# Altium PCB Simulation.PcbDoc (part 2 of 3)
Units mil, origin at the board's own origin, x right, y up, seen from the top; angles counter-clockwise.
Board outline 4400 x 4255 mil, 4 copper layers (Top Layer, Internal Plane 1, Internal Plane 2, Bottom Layer), stack 18.2 mil thick; 378 components, 286 nets, 1122 pads, 110 vias.
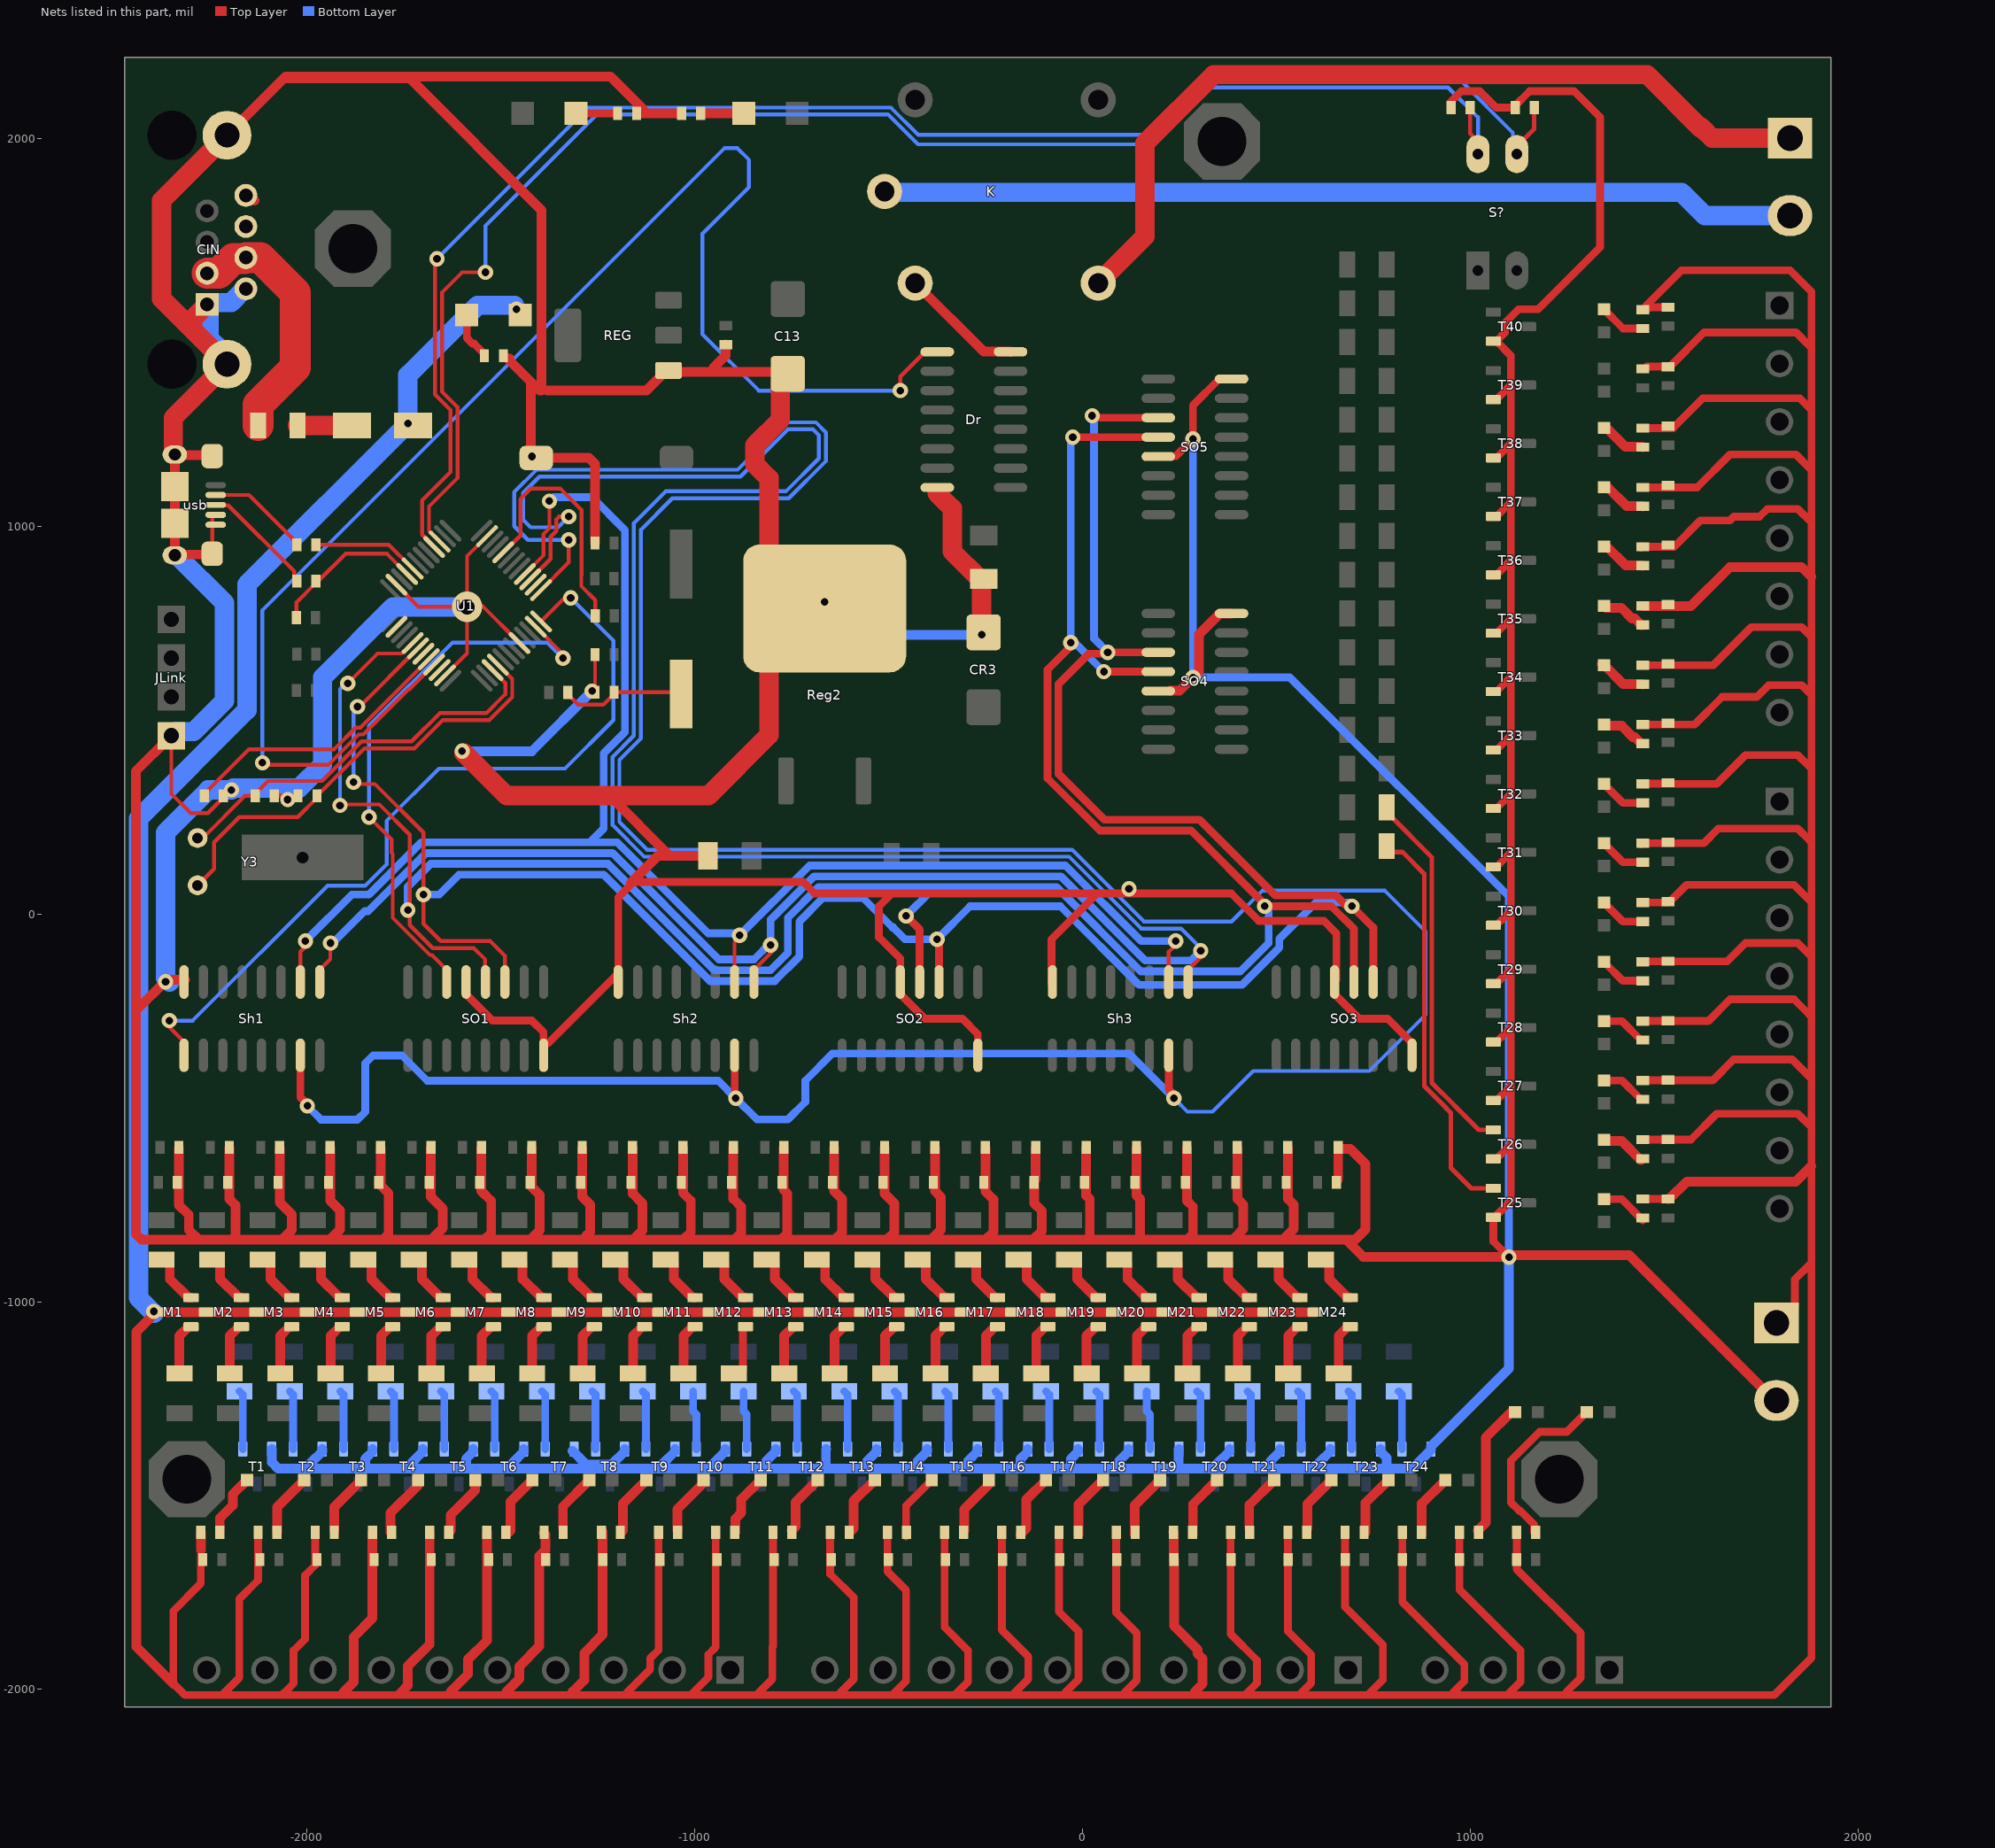
[diagram p4: the nets of this part, all layers, seen from the top]

## Via types
v1: diameter 39.37, hole 19.68, Top Layer to Bottom Layer, 107 vias
v2: diameter 78.74, hole 39.37, Top Layer to Bottom Layer, 3 vias

## Nets (pads, with @x,y where several pads share a name; then routed paths per layer and width w, separated by ;. In a path a pad name is that pad's centre, name@x,y a point inside that pad or via, vN(x,y) a via of type N, cw(c..) or ccw(c..) an arc to the next point about the centre after c; other vN are vias at no path point) (continued)
24V: 24V.1 DM6.2 M1.3 M2.3 M3.3 M4.3 M5.3 M6.3 M7.3 M8.3 M9.3 M10.3 M11.3 M12.3 M13.3 M14.3 M15.3 M16.3 M17.3 M18.3 M19.3 M20.3 M21.3 M22.3 M23.3 M24.3 P2.1@1790,-1055 RL1.2 RL2.2 RL3.2 RL4.2 RL5.2 RL6.2 RL7.2 RL8.2 RL9.2 RL10.2 RL11.2 RL12.2 RL13.2 RL14.2 RL15.2 RL16.2 RL17.2 RL18.2 RL19.2 RL20.2 RL21.2 RL22.2 RL23.2 RL24.2 RL25.2 RL26.2 RL27.2 RL28.2 RL29.2 RL30.2 RL31.2 RL32.2 RL33.2 RL34.2 RL35.2 RL36.2 RL37.2 RL38.2 RL39.2 RL40.2 RP1.1 RP2.1 RP3.1 RP4.1 RP5.1 RP6.1 RP7.1 RP8.1 RP9.1 RP10.1 RP11.1 RP12.1 RP13.1 RP14.1 RP15.1 RP16.1 RP17.1 RP18.1 RP19.1 RP20.1 RP21.1 RP22.1 RP23.1 RP24.1 RP25.1 RP26.1 RP27.1 RP28.1 RP29.1 RP30.1 RP31.1 RP32.1 RP33.1 RP34.1 RP35.1 RP36.1 RP37.1 RP38.1 RP39.1 RP40.1 | length 33728.2
  Top Layer w20: -2273.99,-1640 -2273.99,-1727 -2345,-1798 -2345,-1984.62 -2315,-2014.62 -329.62,-2014.62 ; -2215,-2010 -2175,-1970 -2175,-1766.75 -2126.43,-1718.17 RL2.2@-2126.43,-1595 ; -2060,-2008.62 -2058.62,-2008.62 -2035,-1985 -2035,-1900 -2005,-1870 -2005,-1705.53 -1978.86,-1679.39 RL3.2@-1978.86,-1595 ; -1910,-2008.62 -1907.19,-2005.81 -1905,-2005.81 ; -1175.31,-2008.62 -1115,-1948.31 -1115,-1920 -1093.47,-1898.47 RL9.2@-1093.47,-1595 ; -1005,-2008.62 -965,-1968.62 -965,-1910 -945.91,-1890.91 RL10.2@-945.91,-1595 ; -835,-2008.62 -800,-1973.62 -800,-1890 -798.34,-1888.34 RL11.2@-798.34,-1595 ; RL12.2@-650.78,-1595 -650.78,-1702.07 -590,-1762.85 -590,-1973.62 -625,-2008.62 ; RL13.2@-503.21,-1595 -503.21,-1695.85 -455,-1744.07 -455,-1978.62 -485,-2008.62 ; RL14.2@-355.65,-1595 -355.65,-1839.35 -295,-1900 -295,-1980 -329.62,-2014.62 ; RL15.2@-208.08,-1595 -208.08,-1846.92 -140,-1915 -140,-1973.62 -175,-2008.62 ; RL16.2@-60.52,-1595 -60.52,-1799.48 -10,-1850 -10,-1973.62 -45,-2008.62 ; RL17.2@87.04,-1595 87.04,-1802.04 140,-1855 140,-1976.95 108.33,-2008.62 ; RL19.2@382.17,-1595 382.17,-1857.17 450,-1925 450,-1983.62 425,-2008.62 ; RL20.2@529.74,-1595 529.74,-1849.74 590,-1910 590,-1983.62 565,-2008.62 ; RL21.2@677.3,-1595 677.3,-1787.3 775,-1885 775,-1975 740,-2010 ; RL22.2@824.87,-1595 824.87,-1774.87 985,-1935 985,-1978.62 955,-2008.62 ; RL23.2@972.43,-1595 972.43,-1742.43 1130,-1900 1130,-1980 1100,-2010 1100,-2014.62 ; RL24.2@1120,-1595 1120,-1690 1285,-1855 1285,-1970 1249.34,-2005.66 ; RL31.2@1440,180 RL31.2@1443.8,183.8 ; RL36.2@1440,945 RL36.2@1443.63,948.63 ; RL25.2@1445,-735 RP25.1@1510,-735 ; RL26.2@1445,-582.07 1445.2,-581.87 1569.07,-581.87 1635.93,-515 1845,-515 1880,-550 ; RL27.2@1445,-429.13 1625.87,-429.13 1680,-375 1830,-375 1880,-425 ; RL28.2@1445,-276.2 1613.8,-276.2 1670,-220 1835,-220 1875,-260 ; RL29.2@1445,-123.27 1445.8,-122.47 1662.53,-122.47 1710,-75 1845,-75 1875,-105 ; RL30.2@1445,29.66 1509.66,29.66 RP30.1@1511.67,31.67 ; RL31.2@1445,182.6 1602.6,182.6 1640,220 1845,220 1875,190 ; RL32.2@1445,335.53 RL32.2@1450.33,335.53 ; RL33.2@1445,488.46 1578.46,488.46 1650,560 1740,560 1770,590 1855,590 1880,565 ; RL34.2@1445,641.4 1626.4,641.4 1725,740 1855,740 1880,715 ; RL36.2@1445,947.26 1526.09,947.26 1593.83,1015 1670,1015 1679.63,1024.63 1746.09,1024.63 1766.47,1045 1845,1045 1880,1010 ; RL37.2@1445,1100.19 1585.19,1100.19 1670,1185 1840,1185 1875,1150 ; RL38.2@1445,1253.13 1523.13,1253.13 1600,1330 1850,1330 1880,1300 ; RL39.2@1448.86,1405 1455.53,1411.67 RP39.1@1510,1411.67 1514.92,1411.67 1603.26,1500 1840,1500 1875,1465 ; RL40.2@1455,1570 1545,1660 1825,1660 1880,1605 1880,1300 ; RL40.2@1460,1565 RP40.1@1510,1565 ; RP30.1@1510,31.67 RP30.1@1511.67,31.67 ; RP32.1@1510,338.33 1508.6,336.93 1451.73,336.93 RL32.2@1450.33,335.53 ; P2.1@1795,-1050 1800,-1050 1837.5,-1012.5 1837.5,-942.5 1880,-900 ; 1875,35 1835,75 1558.25,75 1514.92,31.67 RP30.1@1511.67,31.67 ; 1875,380 1845,410 1710,410 1635.53,335.53 RL32.2@1450.33,335.53 ; -329.62,-2014.62 1100,-2014.62 ; 1100,-2014.62 1784.06,-2014.62 1880,-1918.68 1880,-900 ; 1880,-900 1880,-650 1880,-550 ; 1880,-550 1880,-425 ; 1880,-425 1880,565 ; 1880,565 1880,715 ; 1880,715 1880,870 1880,1010 ; 1880,1010 1880,1300
  Top Layer w25: -2345,-1985 -2440,-1890 -2440,-1077.3 -2396.93,-1034.23 -2396.93,-1027.73 -2396.24,-1027.04 M1.3@-2389.74,-1027.04 M2.3@-2259.74,-1027.04 M3.3@-2129.74,-1027.04 M4.3@-1999.74,-1027.04 M5.3@-1869.74,-1027.04 M6.3@-1739.74,-1027.04 M7.3@-1609.74,-1027.04 M8.3@-1479.74,-1027.04 M9.3@-1349.74,-1027.04 M10.3@-1219.74,-1027.04 M11.3@-1089.74,-1027.04 M12.3@-959.74,-1027.04 M13.3@-829.74,-1027.04 M14.3@-699.74,-1027.04 M15.3@-569.74,-1027.04 M16.3@-439.74,-1027.04 M17.3@-309.74,-1027.04 M18.3@-179.74,-1027.04 M19.3@-49.74,-1027.04 M20.3@80.26,-1027.04 M21.3@210.26,-1027.04 M22.3@340.26,-1027.04 M23.3@470.26,-1027.04 M24.3@600.26,-1027.04 ; -2273.99,-1640 RL1.2@-2273.99,-1595 ; -1905,-2005.81 -1880,-1980.81 -1880,-1865 -1831.3,-1816.3 RL4.2@-1831.3,-1595 ; -1760,-2010 -1740,-1990 -1740,-1940 -1683.73,-1883.73 RL5.2@-1683.73,-1595 ; -1630,-2005.81 -1585,-1960.81 -1585,-1922.77 -1536.17,-1873.94 RL6.2@-1536.17,-1595 ; -1485.6,-2005.81 -1452.91,-1973.12 -1452.91,-1940.68 -1400.84,-1888.62 -1400.84,-1655.94 -1384.91,-1640 -1384.91,-1600.09 RL7.2@-1389.3,-1595.7 ; -1315,-2005.81 -1285,-1975.81 -1285,-1906.49 -1237.56,-1859.05 RP8.1@-1237.56,-1665 -1237.56,-1592.44 RL8.2@-1240,-1590 ; RL18.2@234.61,-1595 235,-1595.39 RP18.1@235,-1670 ; RP18.1@235.91,-1665 235.91,-1835.91 297.13,-1897.13 297.13,-1907.91 310,-1920.78 310,-1985.81 290,-2005.81 ; RL35.2@1445,794.33 1569.33,794.33 1670,895 1855,895 1880,870 ; RP25.1@1510,-735 1513.54,-735 1558.54,-690 1840,-690 1880,-650
  Bottom Layer w50: v1@-2395,-1030 -2435,-990 -2435,246.03 -2155,526.03 -2155,850 v1(-1740,1265) -1740,1390 -1560,1570 v1@-1465,1570
  other v1: -2395,-1025 -1460,1560
24V_IN: CIN.3 CIN.4 F3.1 | length 660.9
  Top Layer w80: CIN.3@-2257.75,1652.8 -2227.83,1652.8 -2190.2,1690.42 CIN.4@-2160.28,1690.42 ; CIN.4@-2157.75,1692.95 -2120.22,1692.95 -2030,1602.73 -2030,1410 -2126.65,1313.35 F3.1@-2126.65,1260
A11: R7.1 U1.32 | length 275.2
  Top Layer w10: R7.1@-1977.61,952.44 -1789.2,952.44 U1.32@-1727.8,891.04
A12: R8.1 R9.1 U1.33 | length 401.4
  Top Layer w10: R9.1@-2027.61,764.42 -2027.61,803.51 -1977.61,853.51 R8.1@-1977.61,858.43 -1971.57,858.43 -1900.91,929.09 -1793.69,929.09 U1.33@-1741.72,877.12
A15: U1.38
Ca0: U1.46
Ca2: U1.43
ChA: CIN.8 | length 19.2
  Top Layer w25: CIN.8@-2148.53,1853.58 CIN.8@-2134.95,1840
ChB: CIN.6
"Clock Pin 2": SO1.11 SO2.11 SO3.11 SO4.11 SO5.11 U1.42 | length 6667
  Top Layer w10: v1@-1880,335 -1825,335 -1700,210 v1(-1700,50) -1700,-25 -1655,-70 -1527.87,-70 -1489.86,-108.01 SO1.11@-1489.86,-175.51 ; v1(-1870,535) -1864.41,535 -1714.37,685.04 U1.42@-1713.88,685.04
  Top Layer w20: SO2.11@-369.93,-190.51 SO2.11@-369.93,-175.51 v1@-369.93,-59.93 ; v1@35,1285 40,1280 SO5.11@195.51,1280 ; v1(65,675) SO4.11@195.51,675 ; v1@65,680 56.29,671.29 16.29,671.29 -62.13,592.87 -62.13,361.55 56.55,242.87 302.13,242.87 497.13,47.87 653.43,47.87 681.3,20 v1(695,20) ; v1@700,15 750,-35 SO3.11@750,-175.51
  Bottom Layer w10: v1(-1880,340) -1880,520 v1@-1875,525
  Bottom Layer w20: v1(-1700,50) -1659.33,50 -1607.96,101.38 -1235.22,101.38 -960.97,-172.87 -793.45,-172.87 -730.29,-109.71 -730.29,-19.48 -669.43,41.38 -566.38,41.38 -490,-35 ; -488.94,-33.94 -457.87,-65 v1(-375,-65) -290,20 -56.93,20 145.94,-182.87 411.55,-182.87 507.87,-86.55 507.87,-64.17 601.73,29.69 v1@690,29.69 ; v1@30,1285 30,710.27 65,675.27 v1(65,675)
  other v1: 25,1285
ClockEn: Sh1.15 Sh2.15 Sh3.15 U1.13 | length 8909.8
  Top Layer w10: U1.13@-1396.52,835.37 -1325,906.89 v1(-1325,965)
  Top Layer w20: Sh1.15@-2017.35,-364.49 -2017.35,-472.65 v1@-1995,-495 ; Sh2.15@-897.42,-364.49 -896.72,-365.18 v1@-896.72,-473.28 ; Sh3.15@222.51,-364.49 222.51,-452.51 v1@240.33,-470.33
  Bottom Layer w10: v1(-1325,965) -1325.43,964.57 -1430.03,964.57 -1465.43,999.97 -1465.43,1088.52 -1408.21,1145.75 -889.53,1145.75 -767.4,1267.87 -687.6,1267.87 -662.13,1242.4 -662.13,1167.6 -757.6,1072.13 -1057.87,1072.13 -1139.25,990.75 -1139.25,452.6 -1194.49,397.36 -1194.49,237.11 -1123.12,165.75 -26.79,165.75 158.52,-19.57 384.39,-19.57 463.95,60 780,60 885,-45 885,-260 740,-405 440,-405 335,-510 270.67,-510 240.67,-480 v1(235.67,-475)
  Bottom Layer w20: v1(-1999.33,-495) -1964.04,-530.29 -1869.71,-530.29 -1850,-510.58 -1850,-385 -1830,-365 -1755,-365 -1690,-430 -939.33,-430 v1(-894.33,-475) -839.33,-530 -760,-530 -715,-485 -715,-430 -645,-360 120,-360 v1@235.37,-475.37
ClockPin: Sh1.2 Sh2.2 Sh3.2 U1.16 | length 4233
  Top Layer w10: Sh1.2@-2017.35,-175.51 -2017.35,-97.35 v1@-2000,-80 ; U1.16@-1438.28,877.12 -1390,925.4 -1390,980 -1375,995 v1(-1375,1065) ; Sh2.2@-897.42,-175.51 -897.42,-72.42 v1@-880,-55 ; Sh3.2@222.51,-175.51 222.51,-97.49 v1@245,-75
  Bottom Layer w10: v1(-1375,1065) v1@-1370,1065
  Bottom Layer w20: v1(-2004.33,-70) -1884.33,50 -1840.38,50 -1705.38,185 -1270,185 ; v1@-1370,1070 -1370,1068.95 -1363.95,1075 -1265,1075 -1180,990 -1180,469.47 -1235.24,414.24 -1235.24,220.24 -1270,185.47 -1270,185 ; v1@-885,-50 -965,-50 -1200,185 -1270,185 ; v1(-884.33,-55) -884.07,-55 -704.07,125 -43.67,125 151.33,-70 v1(240.67,-70)
Co1: RO1.2 S?.4 U1.27 | length 3988.2
  Top Layer w10: U1.27@-1658.21,960.64 -1658.21,961.13 -1685.34,988.26 -1685.34,1051.05 -1612.13,1124.26 -1612.13,1307.4 -1652.13,1347.4 -1652.13,1602.87 -1600,1655 v1(-1540,1655) ; RO1.2@1000,2080 1000,2012.96 1025,1987.96 S?.4@1025,1965
  Bottom Layer w10: v1(-1540,1655) -1540,1775 -1252.87,2062.13 -501.57,2062.13 -424.44,1985 170,1985 317.13,2132.13 942.87,2132.13 1020,2055 S?.4@1020,1960 S?.4@1020,1950
Co2: RO2.2 S?.3 U1.28 | length 4085.3
  Top Layer w10: U1.28@-1672.12,946.72 -1672.12,947.21 -1703.21,978.3 -1703.21,1066.79 -1630,1140 -1630,1300 -1670,1340 -1670,1685 v1(-1665,1690)
  Top Layer w12: S?.3@1130,1950 1130,1989.68 1165,2024.68 RO2.2@1165,2080 RO2.2@1165,2085
  Bottom Layer w10: v1(-1665,1690) -1275,2080 -494.16,2080 -424.16,2010 160,2010 300,2150 975,2150 1110,2015 1110,1992.66 1125,1977.66 S?.3@1125,1970
Control: Dr.1 U1.45 | length 3934.5
  Top Layer w10: v1@-2110,385 -1944.67,385 -1866.8,462.87 -1855.09,462.87 -1737.56,580.4 -1735,580.4 U1.45@-1672.12,643.28 ; v1@-475,1345 v1(-470,1350) -470,1385.98 -405.98,1450 Dr.1@-374.49,1450
  Bottom Layer w10: v1(-2115,390) -2115,783.56 -923.56,1975 -890,1975 -860,1945 -860,1875 -980,1755 -980,1585.69 -980.34,1585.34 -980.34,1495.34 -835,1350 v1(-470,1350)
"Data Pin2": SO1.14 U1.11 | length 1451.6
  Top Layer w10: v1@-1835,250 -1835,245 -1782.09,192.09 -1782.09,157.91 -1779.19,155 -1779.19,-9.77 -1683.21,-105.75 -1678.13,-105.75 -1639.86,-144.02 SO1.14@-1639.86,-175.51 ; U1.11@-1410.44,740.71 v1@-1335,665.27
  Bottom Layer w10: v1@-1840,255 -1840,485 -1625,700 -1380,700 v1(-1340,660)
  other v1: -1840,250
DataPin: U1.14
DataPin2: Sh1.9 U1.12 | length 2101
  Top Layer w10: v1@-2355,-280 -2355,-291.65 -2317.35,-329.31 Sh1.9@-2317.35,-364.49 ; U1.12@-1396.52,754.63 -1336.15,815 v1(-1320,815) v1@-1315,815
  Bottom Layer w10: v1@-2355,-270 -2350,-275 -2295,-275 -1947.13,72.87 -1849.86,72.87 -1794.93,127.8 -1794.93,240.07 -1660,375 -1335,375 -1210,500 -1210,705 v1(-1320,815)
  other v1: -2355,-275
GND: C2.1 C6.2 C7.2 C10.2 C13.2 C15.2 C16.1 CIN.1 CIN.2 CIN.9 CR1.2 CR2.2 CR3.2 CY1.2 CY2.2 CY3.2 CY4.2 CY5.2 CY6.2 CY7.2 CY8.2 CY9.2 CY10.2 CY11.2 CY12.2 CY13.2 CY14.2 CY15.2 CY16.2 CY17.2 CY18.2 CY19.2 CY20.2 CY21.2 CY22.2 CY23.2 CY24.2 Dr.8 JLink.1 P2.2@1790,-1255 R2.2 R80.1 R82.1 R83.1 Reg2.4 REG.1 RES.1 RK1.1 RK2.1 RK3.1 RK4.1 RK5.1 RK6.1 RK7.1 RK8.1 RK9.1 RK10.1 RK11.1 RK12.1 RK13.1 RK14.1 RK15.1 RK16.1 RK17.1 RK18.1 RK19.1 RK20.1 RK21.1 RK22.1 RK23.1 RK24.1 RO1.1 RO2.1 Sh1.8 Sh2.8 Sh3.8 SO1.8 SO1.13 SO2.8 SO2.13 SO3.8 SO3.13 SO4.8 SO4.13 SO5.8 SO5.13 T1.2 T2.2 T3.2 T4.2 T5.2 T6.2 T7.2 T8.2 T9.2 T10.2 T11.2 T12.2 T13.2 T14.2 T15.2 T16.2 T17.2 T18.2 T19.2 T20.2 T21.2 T22.2 T23.2 T24.2 T25.2 T26.2 T27.2 T28.2 T29.2 T30.2 T31.2 T32.2 T33.2 T34.2 T35.2 T36.2 T37.2 T38.2 T39.2 T40.2 U1.8 U1.23 U1.35 U1.47 usb.4 usb.5 usb.S | length 41620.2
  Top Layer w10: JLink.1@-2350,455 -2350,310 -2300,260 -2256.09,260 -2216.01,300.08 R2.2@-2216.01,305 ; usb.S@-2246.57,927.13 usb.S@-2244.61,929.09 -2244.61,1026.83 -2241.95,1029.49 usb.4@-2235.75,1029.49 ; C15.2@-2084.69,304.77 C16.1@-2023.34,304.77 ; U1.35@-1769.56,849.29 -1712.24,791.97 v2@-1603.03,791.97 ; U1.47@-1644.29,615.44 -1587.24,672.49 -1587.24,782.24 v2@-1600,795 ; v2(-1587.24,791.97) -1587.24,923.04 U1.23@-1535.71,974.56 ; v2@-1548.24,795 U1.8@-1452.2,698.96 ; C7.2@-1257.3,572.3 C6.2@-1257.3,668.83
  Top Layer w20: JLink.1@-2355,455 JLink.1@-2350,455 ; v1@-1607.75,410.61 v1@-1607.75,415.53 ; SO1.13@-1589.86,-175.51 -1589.86,-207.01 -1521.87,-275 -1420,-275 -1390.55,-304.45 SO1.8@-1390.55,-334.72 ; R80.1@-1485,1435 -1475.96,1435 ; SO1.8@-1389.86,-364.49 -1389.86,-334.72 -1388.19,-333.05 -1378.05,-333.05 -1197.42,-152.42 -1197.42,42.58 -1157.13,82.87 -720.53,82.87 -690.76,53.11 -491.89,53.11 ; SO2.13@-469.93,-175.51 SO2.13@-469.93,-185.07 ; SO2.8@-270,-365 -270,-310 -310,-270 -406.94,-270 -469.93,-207.01 SO2.13@-469.93,-185.07 ; Sh3.8@-80,-180 -80,-65 38.11,53.11 ; SO5.13@185,1180 185.69,1180.69 240.69,1180.69 v1(285,1225) 285,1312.01 352.99,1380 SO5.8@384.49,1380 ; SO3.13@650,-175.51 650,-207.01 712.99,-270 787.01,-270 850,-332.99 SO3.8@850,-355 ; SO3.13@655,-170 655,-50 622.56,-17.56 454.44,-17.56 383.77,53.11 38.11,53.11 ; RO1.1@950,2095 977.13,2122.13 1025,2122.13 1067.13,2080 RO2.1@1116.01,2080 1116.01,2084.92 1153.21,2122.13 1267.87,2122.13 1335,2055 1335,1720 1175,1560 1125,1560 1090,1525 1090,1500 T40.2@1067.6,1477.6 ; T25.2@1059.72,-782.4 1059.72,-844.72 v1(1100,-885) ; T26.2@1059.72,-631.74 1067.6,-631.74 1105,-594.33 ; T27.2@1059.72,-481.07 1067.6,-481.07 1105,-443.67 ; T28.2@1059.72,-330.4 1067.6,-330.4 1105,-293 ; T29.2@1059.72,-179.74 1067.6,-179.74 1105,-142.33 ; T30.2@1059.72,-29.07 1067.6,-29.07 1101.67,5 1105,5 ; T31.2@1059.72,121.6 1067.6,121.6 1105,159 ; T32.2@1059.72,272.26 1067.6,272.26 1105,309.67 ; T33.2@1059.72,422.93 1067.6,422.93 1104.67,460 1105,460 ; T34.2@1059.72,573.6 1067.6,573.6 1105,611 ; T35.2@1059.72,724.26 1067.6,724.26 1103.33,760 1105,760 ; T36.2@1059.72,874.93 1067.6,874.93 1105,912.33 ; T37.2@1059.72,1025.6 1067.6,1025.6 1102,1060 1105,1060 ; T38.2@1059.72,1176.26 1067.6,1176.26 1105,1213.67 ; T39.2@1059.72,1326.93 1067.6,1326.93 1105,1364.33 ; T40.2@1059.72,1477.6 T40.2@1067.6,1477.6 ; T25.2@1060,-785 1105,-740 1105,-594.33 ; T40.2@1065,1475 T40.2@1067.6,1477.6 ; -491.89,53.11 -525,20 -525,-60 -470,-115 -470,-185 SO2.13@-469.93,-185.07 ; -491.89,53.11 38.11,53.11 ; T40.2@1067.6,1477.6 1105,1440.2 1105,1364.33 ; 1105,-594.33 1105,-443.67 ; 1105,-443.67 1105,-293 ; 1105,-293 1105,-142.33 ; 1105,-142.33 1105,5 ; 1105,5 1105,159 ; 1105,159 1105,309.67 ; 1105,309.67 1105,460 ; 1105,460 1105,611 ; 1105,611 1105,760 ; 1105,760 1105,912.33 ; 1105,912.33 1105,1060 ; 1105,1060 1105,1213.67 ; 1105,1213.67 1105,1364.33
  Top Layer w25: JLink.1@-2350,460 -2355,455 -2441.94,368.06 -2441.94,-250 ; CY1.2@-2330.5,-602.05 -2330.5,-750.92 -2304.98,-776.45 -2304.98,-814.95 -2279.45,-840.47 ; Sh1.8@-2315,-170 -2361.94,-170 -2441.94,-250 ; usb.S@-2246.57,927.13 -2339.09,927.13 usb.S@-2341.06,925.16 usb.S@-2341.06,1007.83 usb.S@-2341.06,1102.32 usb.S@-2341.06,1185 -2339.09,1183.03 -2246.57,1183.03 usb.S@-2244.61,1181.06 ; CIN.9@-2220,2015 -2213.7,2008.7 CIN.9@-2206.57,2008.7 ; CIN.9@-2210.27,2005 CIN.9@-2206.57,2008.7 ; CY2.2@-2200.5,-602.05 -2200.5,-735.42 -2185,-750.92 -2185,-830.47 -2195,-840.47 ; CY3.2@-2070.5,-602.05 -2070.5,-743.69 -2039.19,-775 -2039.19,-814.66 -2065,-840.47 ; CY4.2@-1940.5,-602.05 -1940.5,-739.5 -1915,-765 -1915,-814.02 -1941.46,-840.47 ; RK5.1@-1814.72,-692.05 -1814.72,-695.59 -1790,-720.31 -1790,-825 -1800,-835 ; CY5.2@-1810.5,-602.05 -1810,-602.55 RK5.1@-1810,-695 ; CY6.2@-1680.5,-602.05 -1680.5,-729.5 -1650,-760 -1650,-810.47 -1680,-840.47 ; CY7.2@-1550.5,-602.05 -1550.5,-714.5 -1525,-740 -1525,-822.83 -1542.64,-840.47 ; R80.1@-1485,1435 -1422.5,1372.5 ; CY8.2@-1420.5,-602.05 -1420.5,-704.5 -1400,-725 -1400,-816.11 -1424.36,-840.47 ; RES.1@-1415,1180 -1422.5,1187.5 -1422.5,1372.5 ; RES.1@-1408.87,1176.48 -1273.43,1176.48 -1257.3,1160.36 C10.2@-1257.3,957 ; -1380,1350 -1125,1350 -1065.82,1409.18 REG.1@-1060.5,1409.18 ; CY9.2@-1290.5,-602.05 -1290.5,-729.5 -1270,-750 -1270,-820 -1280,-830 ; -1220,305 -1065,150 ; -1165,80 -1095,150 -1065,150 ; CY10.2@-1160.5,-602.05 -1160.5,-720.78 -1135,-746.28 -1135,-816.18 -1159.29,-840.47 ; R82.1@-1145,2065 R83.1@-1033.99,2065 ; -1133.75,2076.25 -1217.5,2160 -2055.27,2160 -2060.27,2155 ; REG.1@-1063.34,1397.81 C13.2@-757.19,1397.81 ; CY11.2@-1030.5,-602.05 -1030.5,-719.5 -1010,-740 -1010,-820.47 -1030,-840.47 ; CR1.2@-966.1,150 -1065,150 ; -950.82,1409.18 -920,1440 C2.1@-920,1468.62 ; CY12.2@-900.5,-602.05 -900.5,-734.5 -880,-755 -880,-823.06 -897.42,-840.47 ; CY13.2@-770.5,-602.05 -770.5,-711.43 -761.16,-720.77 -761.16,-824.04 -777.6,-840.47 ; Reg2.4@-696.29,819.33 Reg2.4@-665,788.04 ; CY14.2@-640.5,-602.05 -640.5,-714.83 -620,-735.34 -620,-821.18 -639.29,-840.47 ; CY15.2@-510.5,-602.05 -510.5,-721.46 -485.69,-746.28 -485.69,-821.16 -505,-840.47 ; CY16.2@-380.5,-602.05 -380.5,-714.5 -365,-730 -365,-814.92 -390.55,-840.47 ; CY17.2@-250.5,-602.05 -250.5,-715.99 -230,-736.5 -230,-820.47 -250,-840.47 ; CY18.2@-120.5,-602.05 -120.5,-684.28 -124.72,-688.5 RK18.1@-124.72,-692.05 -124.04,-692.74 -124.04,-746.28 -105,-765.31 -105,-817.87 -127.6,-840.47 ; CY19.2@9.5,-602.05 9.5,-725.99 18.84,-735.34 18.84,-831.63 10,-840.47 ; CY20.2@139.5,-602.05 139.5,-725.49 148.84,-734.83 148.84,-831.63 140,-840.47 ; SO4.13@226.32,575.69 250.69,575.69 v1(285,610) 300,625 300,720.63 354.37,775 SO4.8@384.49,775 ; CY21.2@269.5,-602.05 269.5,-739.5 285,-755 285,-825.47 270,-840.47 ; CY22.2@399.5,-602.05 399.5,-734.5 415,-750 415,-812.32 392.4,-834.92 392.4,-840.47 ; CY23.2@529.5,-602.05 529.5,-734.5 545,-750 545,-812.32 516.84,-840.47 ; RK24.1@655.28,-692.05 655.28,-688.5 659.5,-684.28 CY24.2@659.5,-605.59 ; CY24.2@659.5,-602.05 CY24.2@659.5,-605.59 ; v1(1100,-885) 724.53,-885 680,-840.47 ; v1@1115,-880 1410,-880 1785,-1255 P2.2@1790,-1255 ; -2441.94,-250 -2441.94,-825 -2426.47,-840.47 -2279.45,-840.47 ; -2279.45,-840.47 -2195,-840.47 ; CIN.9@-2206.57,2008.7 -2060.27,2155 ; -2195,-840.47 -2065,-840.47 ; -2065,-840.47 -1941.46,-840.47 ; -2060.27,2155 -1735,2155 -1395,1815 -1395,1350 -1400,1350 -1422.5,1372.5 ; -1941.46,-840.47 -1680,-840.47 ; -1680,-840.47 -1542.64,-840.47 ; -1542.64,-840.47 -1424.36,-840.47 ; -1424.36,-840.47 -1159.29,-840.47 ; -1159.29,-840.47 -1030,-840.47 ; -1030,-840.47 -897.42,-840.47 ; -897.42,-840.47 -777.6,-840.47 ; -777.6,-840.47 -639.29,-840.47 ; -639.29,-840.47 -505,-840.47 ; -505,-840.47 -390.55,-840.47 ; -390.55,-840.47 -250,-840.47 ; -250,-840.47 -127.6,-840.47 ; -127.6,-840.47 10,-840.47 ; 10,-840.47 140,-840.47 ; 140,-840.47 270,-840.47 ; 270,-840.47 392.4,-840.47 ; 392.4,-840.47 516.84,-840.47 ; 516.84,-840.47 680,-840.47 ; CY24.2@659.5,-605.59 660.19,-606.28 691.28,-606.28 730,-645 730,-814.1 703.63,-840.47 680,-840.47